# Altium PCB IntelligentCarFor51PcbDoc.PcbDoc (part 4 of 14)
Units mil, origin at the board's own origin, x right, y up, seen from the top; angles counter-clockwise.
Board outline 2298.05 x 2090.03 mil, 2 copper layers (Top Layer, Bottom Layer); 55 components, 66 nets, 258 pads, 143 vias.
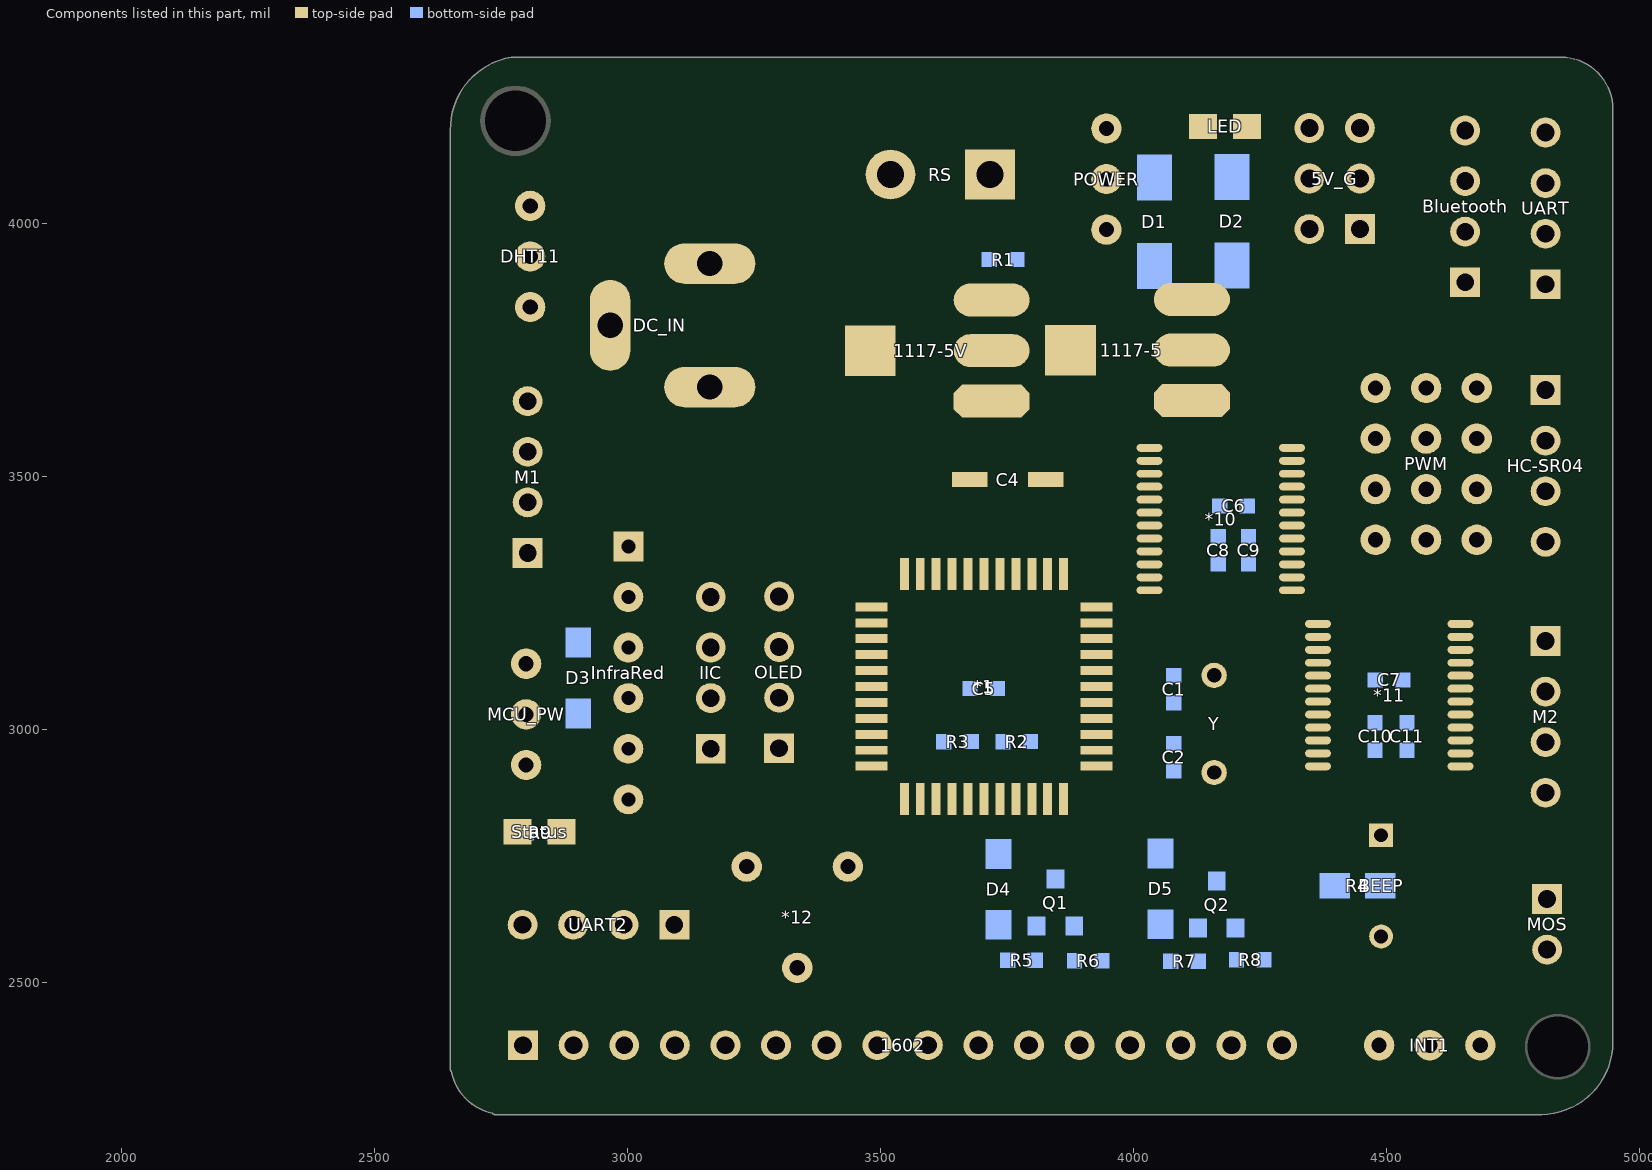
[diagram p4: the components of this part, seen from the top]

## Via types
v1: diameter 12, hole 8, Top Layer to Bottom Layer, 53 vias
v2: diameter 10, hole 7, Top Layer to Bottom Layer, 20 vias
v3: diameter 20, hole 12, Top Layer to Bottom Layer, 15 vias
v4: diameter 35, hole 25, Top Layer to Bottom Layer, 13 vias
v5: diameter 15, hole 10, Top Layer to Bottom Layer, 10 vias
v6: diameter 18, hole 12, Top Layer to Bottom Layer, 10 vias
v7: diameter 50, hole 35, Top Layer to Bottom Layer, 7 vias
v8: diameter 30, hole 20, Top Layer to Bottom Layer, 5 vias
v9: diameter 12, hole 7, Top Layer to Bottom Layer, 3 vias
v10: diameter 25, hole 18, Top Layer to Bottom Layer, 2 vias
v11: diameter 40, hole 30, Top Layer to Bottom Layer, 2 vias
v12: diameter 8, hole 7, Top Layer to Bottom Layer, 1 vias
v13: diameter 30, hole 22, Top Layer to Bottom Layer, 1 vias
v14: diameter 24, hole 18, Top Layer to Bottom Layer, 1 vias

## Nets (pads, with @x,y where several pads share a name; then routed paths per layer and width w, separated by ;. In a path a pad name is that pad's centre, name@x,y a point inside that pad or via, vN(x,y) a via of type N, cw(c..) or ccw(c..) an arc to the next point about the centre after c; other vN are vias at no path point) (continued)
copper on no net: (continued)
  Top Layer w0.3: 2146.4,3740.8 2201.6,3740.8 ; 2146.4,3745 2152.7,3745 ; 2146.4,3774.1 2160.2,3774.1 ; 2146.4,3775 2176.1,3775 ; 2146.4,3778.6 2159,3778.6 ; 2146.7,3722.8 2197.4,3722.8 ; 2146.7,3745.3 2152.7,3745.3 ; 2147,3745.6 2152.4,3745.6 ; 2147.3,3723.1 2197.7,3723.1 ; 2147.3,3741.1 2201.6,3741.1 ; 2147.3,3745.9 2152.4,3745.9 ; 2147.3,3774.4 2160.5,3774.4 ; 2147.3,3774.7 2161.1,3774.7 ; 2147.6,3741.4 2201.6,3741.4 ; 2147.6,3742.3 2201.3,3742.3 ; 2147.6,3742.6 2201.3,3742.6 ; 2147.6,3742.9 2152.7,3742.9 ; 2147.6,3743.2 2152.4,3743.2 ; 2147.6,3743.5 2152.4,3743.5 ; 2147.6,3746.2 2152.4,3746.2 ; 2147.6,3770.8 2159.3,3770.8 ; 2147.9,3637.6 2162.6,3637.6 ; 2147.9,3723.4 2152.7,3723.4 ; 2147.9,3741.7 2201.3,3741.7 ; 2147.9,3742 2201.3,3742 ; 2147.9,3746.5 2153,3746.5 ; 2148.2,3723.7 2152.4,3723.7 ; 2148.2,3724 2152.4,3724 ; 2148.2,3724.3 2152.4,3724.3 ; 2148.2,3729.1 2152.1,3729.1 ; 2148.2,3729.4 2152.1,3729.4 ; 2148.2,3729.7 2152.1,3729.7 ; 2148.2,3730 2152.1,3730 ; 2148.2,3730.3 2152.1,3730.3 ; 2148.2,3730.6 2152.1,3730.6 ; 2148.2,3730.9 2152.1,3730.9 ; 2148.2,3746.8 2155.1,3746.8 ; 2148.2,3778.3 2162,3778.3 ; 2148.5,3724.6 2152.1,3724.6 ; 2148.5,3724.9 2152.1,3724.9 ; 2148.5,3725.2 2152.1,3725.2 ; 2148.5,3725.5 2152.1,3725.5 ; 2148.5,3725.8 2152.1,3725.8 ; 2148.5,3726.1 2152.1,3726.1 ; 2148.5,3726.4 2152.1,3726.4 ; 2148.5,3726.7 2152.1,3726.7 ; 2148.5,3727 2152.1,3727 ; 2148.5,3727.3 2152.1,3727.3 ; 2148.5,3727.6 2152.1,3727.6 ; 2148.5,3727.9 2152.1,3727.9 ; 2148.5,3728.2 2152.1,3728.2 ; 2148.5,3728.5 2152.1,3728.5 ; 2148.5,3728.8 2152.1,3728.8 ; 2148.8,3747.1 2156.9,3747.1 ; 2149.1,3770.5 2161.1,3770.5 ; 2149.4,3747.4 2158.7,3747.4 ; 2149.7,3637.3 2162.6,3637.3 ; 2149.7,3786.1 2161.1,3786.1 ; 2150,3636.4 2162.6,3636.4 ; 2150,3636.7 2162.6,3636.7 ; 2150,3637 2162.6,3637 ; 2150,3654.7 2164.7,3654.7 ; 2150,3778 2162.3,3778 ; 2150.3,3634.9 2162.9,3634.9 ; 2150.3,3635.2 2162.9,3635.2 ; 2150.3,3635.5 2162.9,3635.5 ; 2150.3,3635.8 2162.9,3635.8 ; 2150.3,3636.1 2162.9,3636.1 ; 2150.3,3747.7 2166.5,3747.7 ; 2150.3,3770.2 2162.9,3770.2 ; 2150.6,3633.7 2163.2,3633.7 ; 2150.6,3634 2162.9,3634 ; 2150.6,3634.3 2162.9,3634.3 ; 2150.6,3634.6 2162.9,3634.6 ; 2150.9,3632.8 2163.2,3632.8 ; 2150.9,3633.1 2163.2,3633.1 ; 2150.9,3633.4 2163.2,3633.4 ; 2151.1,4034.5 2170.3,4034.5 ; 2151.2,3631.9 2163.5,3631.9 ; 2151.2,3632.2 2163.5,3632.2 ; 2151.2,3632.5 2163.2,3632.5 ; 2151.2,3748 2167.1,3748 ; 2151.2,3777.7 2165.6,3777.7 ; 2151.5,3631 2163.5,3631 ; 2151.5,3631.3 2163.5,3631.3 ; 2151.5,3631.6 2163.5,3631.6 ; 2151.5,3785.8 2161.1,3785.8 ; 2151.8,3630.1 2163.8,3630.1 ; 2151.8,3630.4 2163.8,3630.4 ; 2151.8,3630.7 2163.8,3630.7 ; 2151.8,3769.9 2164.7,3769.9 ; 2152,4034.2 2152.6,4034.2 ; 2152.1,3629.2 2164.1,3629.2 ; 2152.1,3629.5 2164.1,3629.5 ; 2152.1,3629.8 2163.8,3629.8 ; 2152.4,3628.6 2164.4,3628.6 ; 2152.4,3628.9 2164.1,3628.9 ; 2152.4,3748.3 2167.4,3748.3 ; 2152.4,3777.4 2165.9,3777.4 ; 2152.7,3628 2164.4,3628 ; 2152.7,3628.3 2164.4,3628.3 ; 2152.7,3639.4 2162.6,3639.4 ; 2152.9,3979.6 2220.1,3979.6 ; 2153,3627.4 2164.7,3627.4 ; 2153,3627.7 2164.7,3627.7 ; 2153.3,3626.8 2165,3626.8 ; 2153.3,3627.1 2164.7,3627.1 ; 2153.6,3626.2 2165,3626.2 ; 2153.6,3626.5 2165,3626.5 ; 2153.6,3769.6 2166.2,3769.6 ; 2153.6,3777.1 2166.2,3777.1 ; 2153.6,3785.5 2161.1,3785.5 ; 2153.9,3625.6 2165.3,3625.6 ; 2153.9,3625.9 2165,3625.9 ; 2154.2,3625 2165.6,3625 ; 2154.2,3625.3 2165.3,3625.3 ; 2154.2,3639.7 2162.6,3639.7 ; 2154.2,3654.4 2164.7,3654.4 ; 2154.2,3666.4 2160.2,3666.4 ; 2154.2,3748.6 2174.6,3748.6 ; 2154.5,3624.4 2165.6,3624.4 ; 2154.5,3624.7 2165.6,3624.7 ; 2154.5,3676.9 2161.1,3676.9 ; 2154.5,3776.8 2167.1,3776.8 ; 2154.8,3624.1 2165.9,3624.1 ; 2154.8,3640 2162.6,3640 ; 2154.8,3742.9 2201.3,3742.9 ; 2154.8,3769.3 2168,3769.3 ; 2155.1,3623.5 2166.2,3623.5 ; 2155.1,3623.8 2165.9,3623.8 ; 2155.1,3640.3 2162.6,3640.3 ; 2155.1,3775.9 2171.6,3775.9 ; 2155.1,3776.5 2168.6,3776.5 ; 2155.4,3623.2 2166.2,3623.2 ; 2155.4,3640.6 2162.6,3640.6 ; 2155.4,3659.5 2166.8,3659.5 ; 2155.4,3723.4 2197.7,3723.4 ; 2155.4,3776.2 2170.1,3776.2 ; 2155.4,3785.2 2161.1,3785.2 ; 2155.7,3622.6 2166.8,3622.6 ; 2155.7,3622.9 2166.5,3622.9 ; 2155.7,3640.9 2162.6,3640.9 ; 2155.7,3641.2 2162.6,3641.2 ; 2156,3622 2167.1,3622 ; 2156,3622.3 2166.8,3622.3 ; 2156,3641.5 2162.6,3641.5 ; 2156,3748.9 2175.2,3748.9 ; 2156.3,3621.7 2167.1,3621.7 ; 2156.3,3641.8 2162.6,3641.8 ; 2156.3,3769 2169.8,3769 ; 2156.5,4061.5 2176,4061.5 ; 2156.6,3621.4 2167.4,3621.4 ; 2156.6,3642.1 2162.6,3642.1 ; 2156.6,3642.4 2162.6,3642.4 ; 2156.6,3773.2 2164.7,3773.2 ; 2156.9,3620.8 2168,3620.8 ; 2156.9,3621.1 2167.7,3621.1 ; 2156.9,3642.7 2162.6,3642.7 ; 2156.9,3743.2 2201,3743.2 ; 2157.2,3620.5 2168,3620.5 ; 2157.2,3643 2162.6,3643 ; 2157.2,3643.3 2162.6,3643.3 ; 2157.2,3659.8 2166.8,3659.8 ; 2157.2,3784.9 2161.1,3784.9 ; 2157.5,3620.2 2168.3,3620.2 ; 2157.5,3643.6 2162.6,3643.6 ; 2157.5,3643.9 2162.6,3643.9 ; 2157.5,3654.1 2164.7,3654.1 ; 2157.8,3619.6 2168.9,3619.6 ; 2157.8,3619.9 2168.6,3619.9 ; 2157.8,3644.2 2162.6,3644.2 ; 2157.8,3644.5 2162.6,3644.5 ; 2157.8,3666.7 2160.5,3666.7 ; 2157.8,3676.6 2161.4,3676.6 ; 2157.8,3749.2 2176.7,3749.2 ; 2157.8,3768.7 2171.3,3768.7 ; 2158.1,3619.3 2169.2,3619.3 ; 2158.1,3644.8 2162.6,3644.8 ; 2158.1,3645.1 2162.9,3645.1 ; 2158.4,3619 2169.2,3619 ; 2158.4,3645.4 2162.9,3645.4 ; 2158.4,3645.7 2162.9,3645.7 ; 2158.4,3646 2162.9,3646 ; 2158.4,3660.1 2167.1,3660.1 ; 2158.4,3772.9 2166.2,3772.9 ; 2158.6,4034.2 2177.2,4034.2 ; 2158.7,3618.4 2169.8,3618.4 ; 2158.7,3618.7 2169.5,3618.7 ; 2158.7,3646.3 2162.9,3646.3 ; 2158.7,3646.6 2162.9,3646.6 ; 2158.7,3667 2160.8,3667 ; 2159,3618.1 2170.1,3618.1 ; 2159,3646.9 2162.9,3646.9 ; 2159,3647.2 2162.9,3647.2 ; 2159,3647.5 2162.9,3647.5 ; 2159,3667.3 2161.1,3667.3 ; 2159,3676.3 2161.4,3676.3 ; 2159,3784.6 2161.1,3784.6 ; 2159.3,3617.8 2170.4,3617.8 ; 2159.3,3647.8 2163.2,3647.8 ; 2159.3,3648.1 2163.2,3648.1 ; 2159.3,3648.4 2163.2,3648.4 ; 2159.3,3667.6 2161.1,3667.6 ; 2159.3,3667.9 2161.4,3667.9 ; 2159.6,3617.5 2170.7,3617.5 ; 2159.6,3648.7 2163.2,3648.7 ; 2159.6,3649 2163.2,3649 ; 2159.6,3649.3 2163.5,3649.3 ; 2159.6,3660.4 2167.1,3660.4 ; 2159.6,3668.2 2161.4,3668.2 ; 2159.6,3675.7 2161.7,3675.7 ; 2159.6,3676 2161.7,3676 ; 2159.6,3743.5 2201,3743.5 ; 2159.6,3768.4 2172.8,3768.4 ; 2159.6,3778.6 2161.7,3778.6 ; 2159.9,3617.2 2171,3617.2 ; 2159.9,3649.6 2163.5,3649.6 ; 2159.9,3649.9 2163.5,3649.9 ; 2159.9,3650.2 2163.5,3650.2 ; 2159.9,3650.5 2163.5,3650.5 ; 2159.9,3653.5 2164.4,3653.5 ; 2159.9,3653.8 2164.4,3653.8 ; 2159.9,3668.5 2161.4,3668.5 ; 2159.9,3668.8 2161.4,3668.8 ; 2159.9,3669.1 2161.4,3669.1 ; 2159.9,3675.4 2161.7,3675.4 ; 2159.9,3749.5 2182.1,3749.5 ; 2159.9,3778.9 2161.7,3778.9 ; 2159.9,3779.2 2161.7,3779.2 ; 2159.9,3779.5 2161.4,3779.5 ; 2159.9,3779.8 2161.4,3779.8 ; 2159.9,3780.1 2161.4,3780.1 ; 2159.9,3780.4 2161.4,3780.4 ; 2159.9,3780.7 2161.4,3780.7 ; 2159.9,3781 2161.4,3781 ; 2159.9,3781.3 2161.4,3781.3 ; 2159.9,3782.8 2161.1,3782.8 ; 2159.9,3783.1 2161.1,3783.1 ; 2159.9,3783.4 2161.1,3783.4 ; 2159.9,3783.7 2161.1,3783.7 ; 2159.9,3784 2161.1,3784 ; 2159.9,3784.3 2161.1,3784.3 ; 2160.1,3990.1 2220.7,3990.1 ; 2160.2,3616.9 2171.3,3616.9 ; 2160.2,3650.8 2163.8,3650.8 ; 2160.2,3651.1 2163.8,3651.1 ; 2160.2,3651.4 2163.8,3651.4 ; 2160.2,3651.7 2163.8,3651.7 ; 2160.2,3652 2163.8,3652 ; 2160.2,3652.3 2164.1,3652.3 ; 2160.2,3652.6 2164.1,3652.6 ; 2160.2,3652.9 2164.1,3652.9 ; 2160.2,3653.2 2164.4,3653.2 ; 2160.2,3669.4 2161.7,3669.4 ; 2160.2,3669.7 2161.7,3669.7 ; 2160.2,3670 2161.7,3670 ; 2160.2,3674.5 2161.7,3674.5 ; 2160.2,3674.8 2161.7,3674.8 ; 2160.2,3675.1 2161.7,3675.1 ; 2160.2,3747.4 2166.5,3747.4 ; 2160.2,3772.6 2167.7,3772.6 ; 2160.2,3781.6 2161.4,3781.6 ; 2160.2,3781.9 2161.1,3781.9 ; 2160.2,3782.2 2161.1,3782.2 ; 2160.2,3782.5 2161.1,3782.5 ; 2160.5,3616.6 2171.9,3616.6 ; 2160.5,3660.7 2167.4,3660.7 ; 2160.5,3670.3 2161.7,3670.3 ; 2160.5,3670.6 2161.7,3670.6 ; 2160.5,3670.9 2161.7,3670.9 ; 2160.5,3671.2 2161.7,3671.2 ; 2160.5,3671.5 2161.7,3671.5 ; 2160.5,3671.8 2161.7,3671.8 ; 2160.5,3672.1 2162,3672.1 ; 2160.5,3672.4 2162,3672.4 ; 2160.5,3672.7 2162,3672.7 ; 2160.5,3673 2162,3673 ; 2160.5,3673.3 2162,3673.3 ; 2160.5,3673.6 2162,3673.6 ; 2160.5,3673.9 2161.7,3673.9 ; 2160.5,3674.2 2161.7,3674.2 ; 2160.8,3616.3 2172.2,3616.3 ; 2160.8,3745 2165.6,3745 ; 2160.8,3745.3 2165.9,3745.3 ; 2160.8,3745.6 2166.2,3745.6 ; 2160.8,3747.1 2166.5,3747.1 ; 2160.8,3768.1 2174.6,3768.1 ; 2161.1,3616 2172.5,3616 ; 2161.1,3743.8 2201,3743.8 ; 2161.1,3744.7 2164.1,3744.7 ; 2161.1,3745.9 2166.2,3745.9 ; 2161.1,3746.2 2166.2,3746.2 ; 2161.1,3746.5 2166.2,3746.5 ; 2161.1,3746.8 2166.2,3746.8 ; 2161.4,3615.7 2172.8,3615.7 ; 2161.4,3661 2167.4,3661 ; 2161.4,3744.4 2162.9,3744.4 ; 2161.7,3615.4 2173.4,3615.4 ; 2161.7,3661.3 2167.7,3661.3 ; 2162,3615.1 2173.7,3615.1 ; 2162,3744.1 2162.6,3744.1 ; 2162,3749.8 2182.7,3749.8 ; 2162,3772.3 2169.2,3772.3 ; 2162.3,3614.8 2174.3,3614.8 ; 2162.3,3661.6 2168,3661.6 ; 2162.3,3723.7 2198,3723.7 ; 2162.6,3767.8 2176.1,3767.8 ; 2162.9,3614.5 2174.6,3614.5 ; 2162.9,3661.9 2168,3661.9 ; 2163.1,4062.7 2168.8,4062.7 ; 2163.2,3614.2 2175.2,3614.2 ; 2163.2,3662.2 2168.3,3662.2 ; 2163.2,3774.7 2177.6,3774.7 ; 2163.2,3790.3 2168.6,3790.3 ; 2163.5,3613.9 2175.5,3613.9 ; 2163.5,3662.5 2168.3,3662.5 ; 2163.5,3772 2170.4,3772 ; 2163.5,3778 2165.3,3778 ; 2163.5,3778.3 2165.3,3778.3 ; 2163.5,3790 2169.8,3790 ; 2163.8,3613.6 2176.1,3613.6 ; 2163.8,3662.8 2168.6,3662.8 ; 2163.8,3778.6 2165.3,3778.6 ; 2163.8,3778.9 2165,3778.9 ; 2163.8,3779.2 2165,3779.2 ; 2163.8,3779.5 2165,3779.5 ; 2163.8,3779.8 2165,3779.8 ; 2163.8,3780.1 2165,3780.1 ; 2163.8,3780.4 2165,3780.4 ; 2163.8,3780.7 2165,3780.7 ; 2163.8,3781 2165,3781 ; 2163.8,3781.3 2165,3781.3 ; 2163.8,3781.6 2165,3781.6 ; 2163.8,3781.9 2165.3,3781.9 ; 2163.8,3782.2 2165.3,3782.2 ; 2163.8,3782.5 2165.3,3782.5 ; 2163.8,3782.8 2200.1,3782.8 ; 2163.8,3783.1 2198.9,3783.1 ; 2163.8,3783.4 2198,3783.4 ; 2163.8,3783.7 2196.8,3783.7 ; 2163.8,3784 2195.6,3784 ; 2163.8,3784.3 2194.4,3784.3 ; 2163.8,3784.6 2193.2,3784.6 ; 2163.8,3784.9 2192,3784.9 ; 2163.8,3785.2 2190.5,3785.2 ; 2163.8,3785.5 2189.3,3785.5 ; 2163.8,3785.8 2187.5,3785.8 ; 2163.8,3786.1 2186,3786.1 ; 2163.8,3786.4 2184.5,3786.4 ; 2163.8,3786.7 2183.3,3786.7 ; 2163.8,3787 2182.1,3787 ; 2163.8,3787.3 2180.6,3787.3 ; 2163.8,3787.6 2179.7,3787.6 ; 2163.8,3787.9 2178.2,3787.9 ; 2163.8,3788.2 2177,3788.2 ; 2163.8,3788.5 2175.8,3788.5 ; 2163.8,3788.8 2174.6,3788.8 ; 2163.8,3789.1 2173.4,3789.1 ; 2163.8,3789.4 2172.2,3789.4 ; 2163.8,3789.7 2171,3789.7 ; 2164.1,3663.1 2166.8,3663.1 ; 2164.1,3734.8 2201,3734.8 ; 2164.1,3767.5 2177.6,3767.5 ; 2164.4,3613.3 2176.7,3613.3 ; 2164.4,3663.4 2166.8,3663.4 ; 2164.4,3724 2198,3724 ; 2164.4,3750.1 2184.2,3750.1 ; 2164.7,3613 2177.6,3613 ; 2164.7,3663.7 2166.8,3663.7 ; 2164.7,3664 2167.1,3664 ; 2165,3612.7 2178.2,3612.7 ; 2165,3664.3 2167.1,3664.3 ; 2165,3664.6 2167.4,3664.6 ; 2165.3,3664.9 2167.4,3664.9 ; 2165.3,3724.3 2198,3724.3 ; 2165.3,3734.5 2201,3734.5 ; 2165.3,3771.7 2171.6,3771.7 ; 2165.6,3612.4 2178.8,3612.4 ; 2165.6,3665.2 2167.7,3665.2 ; 2165.6,3665.5 2167.7,3665.5 ; 2165.6,3724.6 2198.3,3724.6 ; 2165.6,3734.2 2201,3734.2 ; 2165.6,3767.2 2179.1,3767.2 ; 2165.6,3774.4 2179.1,3774.4 ; 2165.8,4033.9 2180.2,4033.9 ; 2165.9,3612.1 2179.7,3612.1 ; 2165.9,3665.8 2168,3665.8 ; 2165.9,3666.1 2168,3666.1 ; 2165.9,3724.9 2198.3,3724.9 ; 2165.9,3725.2 2198.6,3725.2 ; 2165.9,3725.5 2198.6,3725.5 ; 2165.9,3725.8 2198.6,3725.8 ; 2165.9,3733.6 2201,3733.6 ; 2165.9,3733.9 2201,3733.9 ; 2166.2,3666.4 2168.3,3666.4 ; 2166.2,3666.7 2168.3,3666.7 ; 2166.2,3726.1 2198.9,3726.1 ; 2166.2,3726.4 2198.9,3726.4 ; 2166.2,3726.7 2198.9,3726.7 ; 2166.2,3727 2199.2,3727 ; 2166.2,3727.3 2199.2,3727.3 ; 2166.2,3727.6 2199.2,3727.6 ; 2166.2,3727.9 2199.5,3727.9 ; 2166.2,3728.2 2199.5,3728.2 ; 2166.2,3728.5 2199.5,3728.5 ; 2166.2,3728.8 2199.8,3728.8 ; 2166.2,3729.1 2199.8,3729.1 ; 2166.2,3729.4 2199.8,3729.4 ; 2166.2,3729.7 2200.1,3729.7 ; 2166.2,3730 2200.1,3730 ; 2166.2,3730.3 2200.1,3730.3 ; 2166.2,3730.6 2200.1,3730.6 ; 2166.2,3730.9 2200.4,3730.9 ; 2166.2,3731.2 2200.4,3731.2 ; 2166.2,3731.5 2200.4,3731.5 ; 2166.2,3731.8 2200.4,3731.8 ; 2166.2,3732.1 2200.7,3732.1 ; 2166.2,3732.4 2200.7,3732.4 ; 2166.2,3732.7 2200.7,3732.7 ; 2166.2,3733 2200.7,3733 ; 2166.2,3733.3 2201,3733.3 ; 2166.5,3611.8 2181.2,3611.8 ; 2166.5,3667 2168.6,3667 ; 2166.5,3667.3 2168.9,3667.3 ; 2166.8,3611.5 2183,3611.5 ; 2166.8,3667.6 2169.2,3667.6 ; 2166.8,3667.9 2169.2,3667.9 ; 2166.8,3750.4 2186,3750.4 ; 2166.8,3771.4 2172.8,3771.4 ; 2167.1,3663.1 2168.9,3663.1 ; 2167.1,3668.2 2169.5,3668.2 ; 2167.1,3668.5 2169.8,3668.5 ; 2167.1,3744.1 2200.7,3744.1 ; 2167.4,3611.2 2197.1,3611.2 ; 2167.4,3663.4 2168.9,3663.4 ; 2167.4,3668.8 2170.1,3668.8 ; 2167.4,3766.9 2180.9,3766.9 ; 2167.4,3774.1 2180.6,3774.1 ; 2167.4,3782.5 2201,3782.5 ; 2167.7,3663.7 2169.2,3663.7 ; 2167.7,3669.1 2170.4,3669.1 ; 2167.7,3669.4 2170.7,3669.4 ; 2168,3610.9 2196.5,3610.9 ; 2168,3664 2169.5,3664 ; 2168,3669.7 2171,3669.7 ; 2168,3670 2171.3,3670 ; 2168.3,3664.3 2169.8,3664.3 ; 2168.3,3670.3 2171.6,3670.3 ; 2168.3,3670.6 2171.9,3670.6 ; 2168.3,3771.1 2174.3,3771.1 ; 2168.3,3782.2 2202.2,3782.2 ; 2168.6,3610.6 2195.9,3610.6 ; 2168.6,3664.6 2170.1,3664.6 ; 2168.6,3670.9 2172.5,3670.9 ; 2168.9,3610.3 2195.6,3610.3 ; 2168.9,3664.9 2170.1,3664.9 ; 2168.9,3671.2 2173.1,3671.2 ; 2168.9,3671.5 2173.4,3671.5 ; 2168.9,3744.4 2200.7,3744.4 ; 2168.9,3773.8 2182.1,3773.8 ; 2169.2,3665.2 2170.4,3665.2 ; 2169.2,3671.8 2174,3671.8 ; 2169.2,3672.1 2174.6,3672.1 ; 2169.2,3744.7 2172.8,3744.7 ; 2169.2,3745 2171.9,3745 ; 2169.2,3745.3 2173.1,3745.3 ; 2169.2,3745.6 2173.7,3745.6 ; 2169.2,3746.2 2170.7,3746.2 ; 2169.2,3746.5 2170.4,3746.5 ; 2169.2,3747.4 2174.6,3747.4 ; 2169.2,3747.7 2174.3,3747.7 ; 2169.2,3748 2174.3,3748 ; 2169.2,3748.3 2174.3,3748.3 ; 2169.2,3750.7 2188.4,3750.7 ; 2169.2,3766.6 2182.1,3766.6 ; 2169.2,3781.9 2203.1,3781.9 ; 2169.5,3610 2195,3610 ; 2169.5,3665.5 2170.7,3665.5 ; 2169.5,3672.4 2175.5,3672.4 ; 2169.5,3672.7 2176.7,3672.7 ; 2169.5,3745.9 2174.3,3745.9 ; 2169.5,3746.8 2171,3746.8 ; 2169.5,3747.1 2171.9,3747.1 ; 2169.8,3665.8 2171,3665.8 ; 2169.8,3673 2178.2,3673 ; 2170.1,3609.7 2194.1,3609.7 ; 2170.1,3666.1 2171.3,3666.1 ; 2170.1,3673.3 2188.4,3673.3 ; 2170.1,3673.6 2187.2,3673.6 ; 2170.1,3770.8 2176.1,3770.8 ; 2170.4,3666.4 2171.6,3666.4 ; 2170.4,3673.9 2185.7,3673.9 ; 2170.4,3781.6 2204,3781.6 ; 2170.7,3666.7 2171.9,3666.7 ; 2170.7,3674.2 2180.6,3674.2 ; 2170.7,3674.5 2179.1,3674.5 ; 2170.7,3773.5 2187.2,3773.5 ; 2171,3609.4 2193.5,3609.4 ; 2171,3667 2172.2,3667 ; 2171,3674.8 2179.1,3674.8 ; 2171,3766.3 2183.6,3766.3 ; 2171.3,3667.3 2172.5,3667.3 ; 2171.3,3675.1 2180,3675.1 ; 2171.3,3675.4 2180.9,3675.4 ; 2171.3,3770.5 2177.6,3770.5 ; 2171.6,3609.1 2192.6,3609.1 ; 2171.6,3667.6 2173.1,3667.6 ; 2171.6,3675.7 2182.1,3675.7 ; 2171.6,3746.2 2174.6,3746.2 ; 2171.6,3781.3 2205.2,3781.3 ; 2171.8,4061.2 2176.3,4061.2 ; 2171.9,3667.9 2173.4,3667.9 ; 2171.9,3676 2195.9,3676 ; 2171.9,3676.3 2195.6,3676.3 ; 2171.9,3751 2189.9,3751 ; 2172.2,3636.7 2173.4,3636.7 ; 2172.2,3637 2173.4,3637 ; 2172.2,3637.3 2173.4,3637.3 ; 2172.2,3637.6 2173.4,3637.6 ; 2172.2,3637.9 2173.4,3637.9 ; 2172.2,3638.2 2173.4,3638.2 ; 2172.2,3638.5 2173.4,3638.5 ; 2172.2,3638.8 2173.4,3638.8 ; 2172.2,3639.1 2173.4,3639.1 ; 2172.2,3639.4 2173.4,3639.4 ; 2172.2,3668.2 2173.7,3668.2 ; 2172.2,3676.6 2195.3,3676.6 ; 2172.4,4033.6 2180.5,4033.6 ; 2172.5,3608.8 2191.7,3608.8 ; 2172.5,3634 2173.7,3634 ; 2172.5,3634.3 2173.7,3634.3 ; 2172.5,3634.6 2173.7,3634.6 ; 2172.5,3634.9 2173.7,3634.9 ; 2172.5,3635.2 2173.7,3635.2 ; 2172.5,3635.5 2173.4,3635.5 ; 2172.5,3635.8 2173.4,3635.8 ; 2172.5,3636.1 2173.4,3636.1 ; 2172.5,3636.4 2173.4,3636.4 ; 2172.5,3639.7 2173.4,3639.7 ; 2172.5,3640 2173.4,3640 ; 2172.5,3640.3 2173.4,3640.3 ; 2172.5,3640.6 2173.4,3640.6 ; 2172.5,3640.9 2173.4,3640.9 ; 2172.5,3641.2 2173.4,3641.2 ; 2172.5,3641.5 2173.7,3641.5 ; 2172.5,3641.8 2173.7,3641.8 ; 2172.5,3642.1 2173.7,3642.1 ; 2172.5,3642.4 2173.7,3642.4 ; 2172.5,3676.9 2194.7,3676.9 ; 2172.5,3746.5 2174.6,3746.5 ; 2172.5,3773.2 2187.5,3773.2 ; 2172.5,3781 2206.1,3781 ; 2172.8,3632.8 2174,3632.8 ; 2172.8,3633.1 2174,3633.1 ; 2172.8,3633.4 2174,3633.4 ; 2172.8,3633.7 2174,3633.7 ; 2172.8,3642.7 2173.7,3642.7 ; 2172.8,3643 2174,3643 ; 2172.8,3643.3 2174,3643.3 ; 2172.8,3643.6 2174,3643.6 ; 2172.8,3643.9 2174,3643.9 ; 2172.8,3668.5 2174,3668.5 ; 2172.8,3677.2 2194.4,3677.2 ; 2172.8,3677.5 2193.8,3677.5 ; 2172.8,3747.1 2174.6,3747.1 ; 2172.8,3766 2185.4,3766 ; 2172.8,3770.2 2179.4,3770.2 ; 2173.1,3631.3 2174.6,3631.3 ; 2173.1,3631.6 2174.3,3631.6 ; 2173.1,3631.9 2174.3,3631.9 ; 2173.1,3632.2 2174.3,3632.2 ; 2173.1,3632.5 2174.3,3632.5 ; 2173.1,3644.2 2174,3644.2 ; 2173.1,3644.5 2174.3,3644.5 ; 2173.1,3644.8 2174.3,3644.8 ; 2173.1,3645.1 2174.3,3645.1 ; 2173.1,3668.8 2174.6,3668.8 ; 2173.1,3677.8 2193.2,3677.8 ; 2173.1,3746.8 2174.6,3746.8 ; 2173.3,4060.9 2176.6,4060.9 ; 2173.4,3608.5 2190.5,3608.5 ; 2173.4,3630.4 2174.9,3630.4 ; 2173.4,3630.7 2174.6,3630.7 ; 2173.4,3631 2174.6,3631 ; 2173.4,3645.4 2174.3,3645.4 ; 2173.4,3645.7 2174.6,3645.7 ; 2173.4,3646 2174.6,3646 ; 2173.4,3646.3 2174.6,3646.3 ; 2173.4,3669.1 2174.9,3669.1 ; 2173.4,3678.1 2192.6,3678.1 ; 2173.7,3629.5 2175.2,3629.5 ; 2173.7,3629.8 2175.2,3629.8 ; 2173.7,3630.1 2174.9,3630.1 ; 2173.7,3646.6 2174.9,3646.6 ; 2173.7,3646.9 2174.9,3646.9 ; 2173.7,3647.2 2175.2,3647.2 ; 2173.7,3669.4 2175.5,3669.4 ; 2173.7,3678.4 2191.7,3678.4 ; 2173.9,3979.3 2220.1,3979.3 ; 2174,3628.9 2175.5,3628.9 ; 2174,3629.2 2175.2,3629.2 ; 2174,3647.5 2175.2,3647.5 ; 2174,3647.8 2175.2,3647.8 ; 2174,3669.7 2176.1,3669.7 ; 2174,3678.7 2191.1,3678.7 ; 2174,3772.9 2187.5,3772.9 ; 2174,3780.7 2207,3780.7 ; 2174.2,4060.6 2176.9,4060.6 ; 2174.3,3608.2 2189,3608.2 ; 2174.3,3628 2175.8,3628 ; 2174.3,3628.3 2175.8,3628.3 ; 2174.3,3628.6 2175.5,3628.6 ; 2174.3,3648.1 2175.5,3648.1 ; 2174.3,3648.4 2175.5,3648.4 ; 2174.3,3648.7 2175.8,3648.7 ; 2174.3,3679 2190.2,3679 ; 2174.3,3679.3 2189.3,3679.3 ; 2174.3,3769.9 2181.2,3769.9 ; 2174.6,3627.7 2176.1,3627.7 ; 2174.6,3649 2175.8,3649 ; 2174.6,3649.3 2176.1,3649.3 ; 2174.6,3670 2176.7,3670 ; 2174.6,3679.6 2187.8,3679.6 ; 2174.6,3751.3 2192,3751.3 ; 2174.8,4060.3 2177.2,4060.3 ; 2174.9,3627.1 2176.4,3627.1 ; 2174.9,3627.4 2176.1,3627.4 ; 2174.9,3649.6 2176.1,3649.6 ; 2174.9,3649.9 2176.4,3649.9 ; 2174.9,3670.3 2177.3,3670.3 ; 2174.9,3679.9 2186.6,3679.9 ; 2174.9,3744.7 2200.4,3744.7 ; 2174.9,3765.7 2203.7,3765.7 ; 2175.1,3989.8 2220.4,3989.8 ; 2175.2,3626.5 2176.7,3626.5 ; 2175.2,3626.8 2176.7,3626.8 ; 2175.2,3650.2 2176.4,3650.2 ; 2175.2,3650.5 2176.7,3650.5 ; 2175.2,3680.2 2186,3680.2 ; 2175.2,3780.4 2208.2,3780.4 ; 2175.4,4060 2177.5,4060 ; 2175.5,3626.2 2177,3626.2 ; 2175.5,3650.8 2176.7,3650.8 ; 2175.5,3670.6 2177.9,3670.6 ; 2175.5,3680.5 2200.1,3680.5 ; 2175.5,3772.6 2187.8,3772.6 ; 2175.7,4059.7 2177.8,4059.7 ; 2175.7,4062.1 2179.9,4062.1 ; 2175.8,3607.9 2187.2,3607.9 ; 2175.8,3625.6 2177.6,3625.6 ; 2175.8,3625.9 2177.3,3625.9 ; 2175.8,3651.1 2177,3651.1 ; 2175.8,3651.4 2177.3,3651.4 ; 2175.8,3670.9 2178.8,3670.9 ; 2175.8,3680.8 2199.8,3680.8 ; 2175.8,3769.6 2182.7,3769.6 ; 2176,4061.8 2180.2,4061.8 ; 2176.1,3625.3 2177.9,3625.3 ; 2176.1,3630.7 2179.4,3630.7 ; 2176.1,3631 2179.4,3631 ; 2176.1,3631.3 2179.4,3631.3 ; 2176.1,3631.6 2179.4,3631.6 ; 2176.1,3631.9 2179.1,3631.9 ; 2176.1,3632.2 2179.1,3632.2 ; 2176.1,3632.5 2179.1,3632.5 ; 2176.1,3632.8 2178.8,3632.8 ; 2176.1,3633.1 2178.8,3633.1 ; 2176.1,3651.7 2177.3,3651.7 ; 2176.1,3652 2177.6,3652 ; 2176.1,3681.1 2199.5,3681.1 ; 2176.3,4059.4 2177.8,4059.4 ; 2176.3,4061.5 2180.5,4061.5 ; 2176.4,3624.7 2178.5,3624.7 ; 2176.4,3625 2178.2,3625 ; 2176.4,3630.1 2179.4,3630.1 ; 2176.4,3630.4 2179.4,3630.4 ; 2176.4,3633.4 2178.5,3633.4 ; 2176.4,3633.7 2178.5,3633.7 ; 2176.4,3652.3 2177.9,3652.3 ; 2176.4,3671.2 2180,3671.2 ; 2176.6,4059.1 2178.1,4059.1 ; 2176.6,4061.2 2180.8,4061.2 ; 2176.7,3624.4 2178.8,3624.4 ; 2176.7,3629.5 